# Altium PCB radxa_nx4_io_board_v1.11.PcbDoc (part 3 of 13)
Units mil, origin at the board's own origin, x right, y up, seen from the top; angles counter-clockwise.
Board outline 3937.01 x 3110.23 mil, 6 copper layers (TOP, GND02, ART03, ART04, GND05, BOTTOM), stack 47.2 mil thick; 639 components, 522 nets, 2442 pads, 1896 vias.
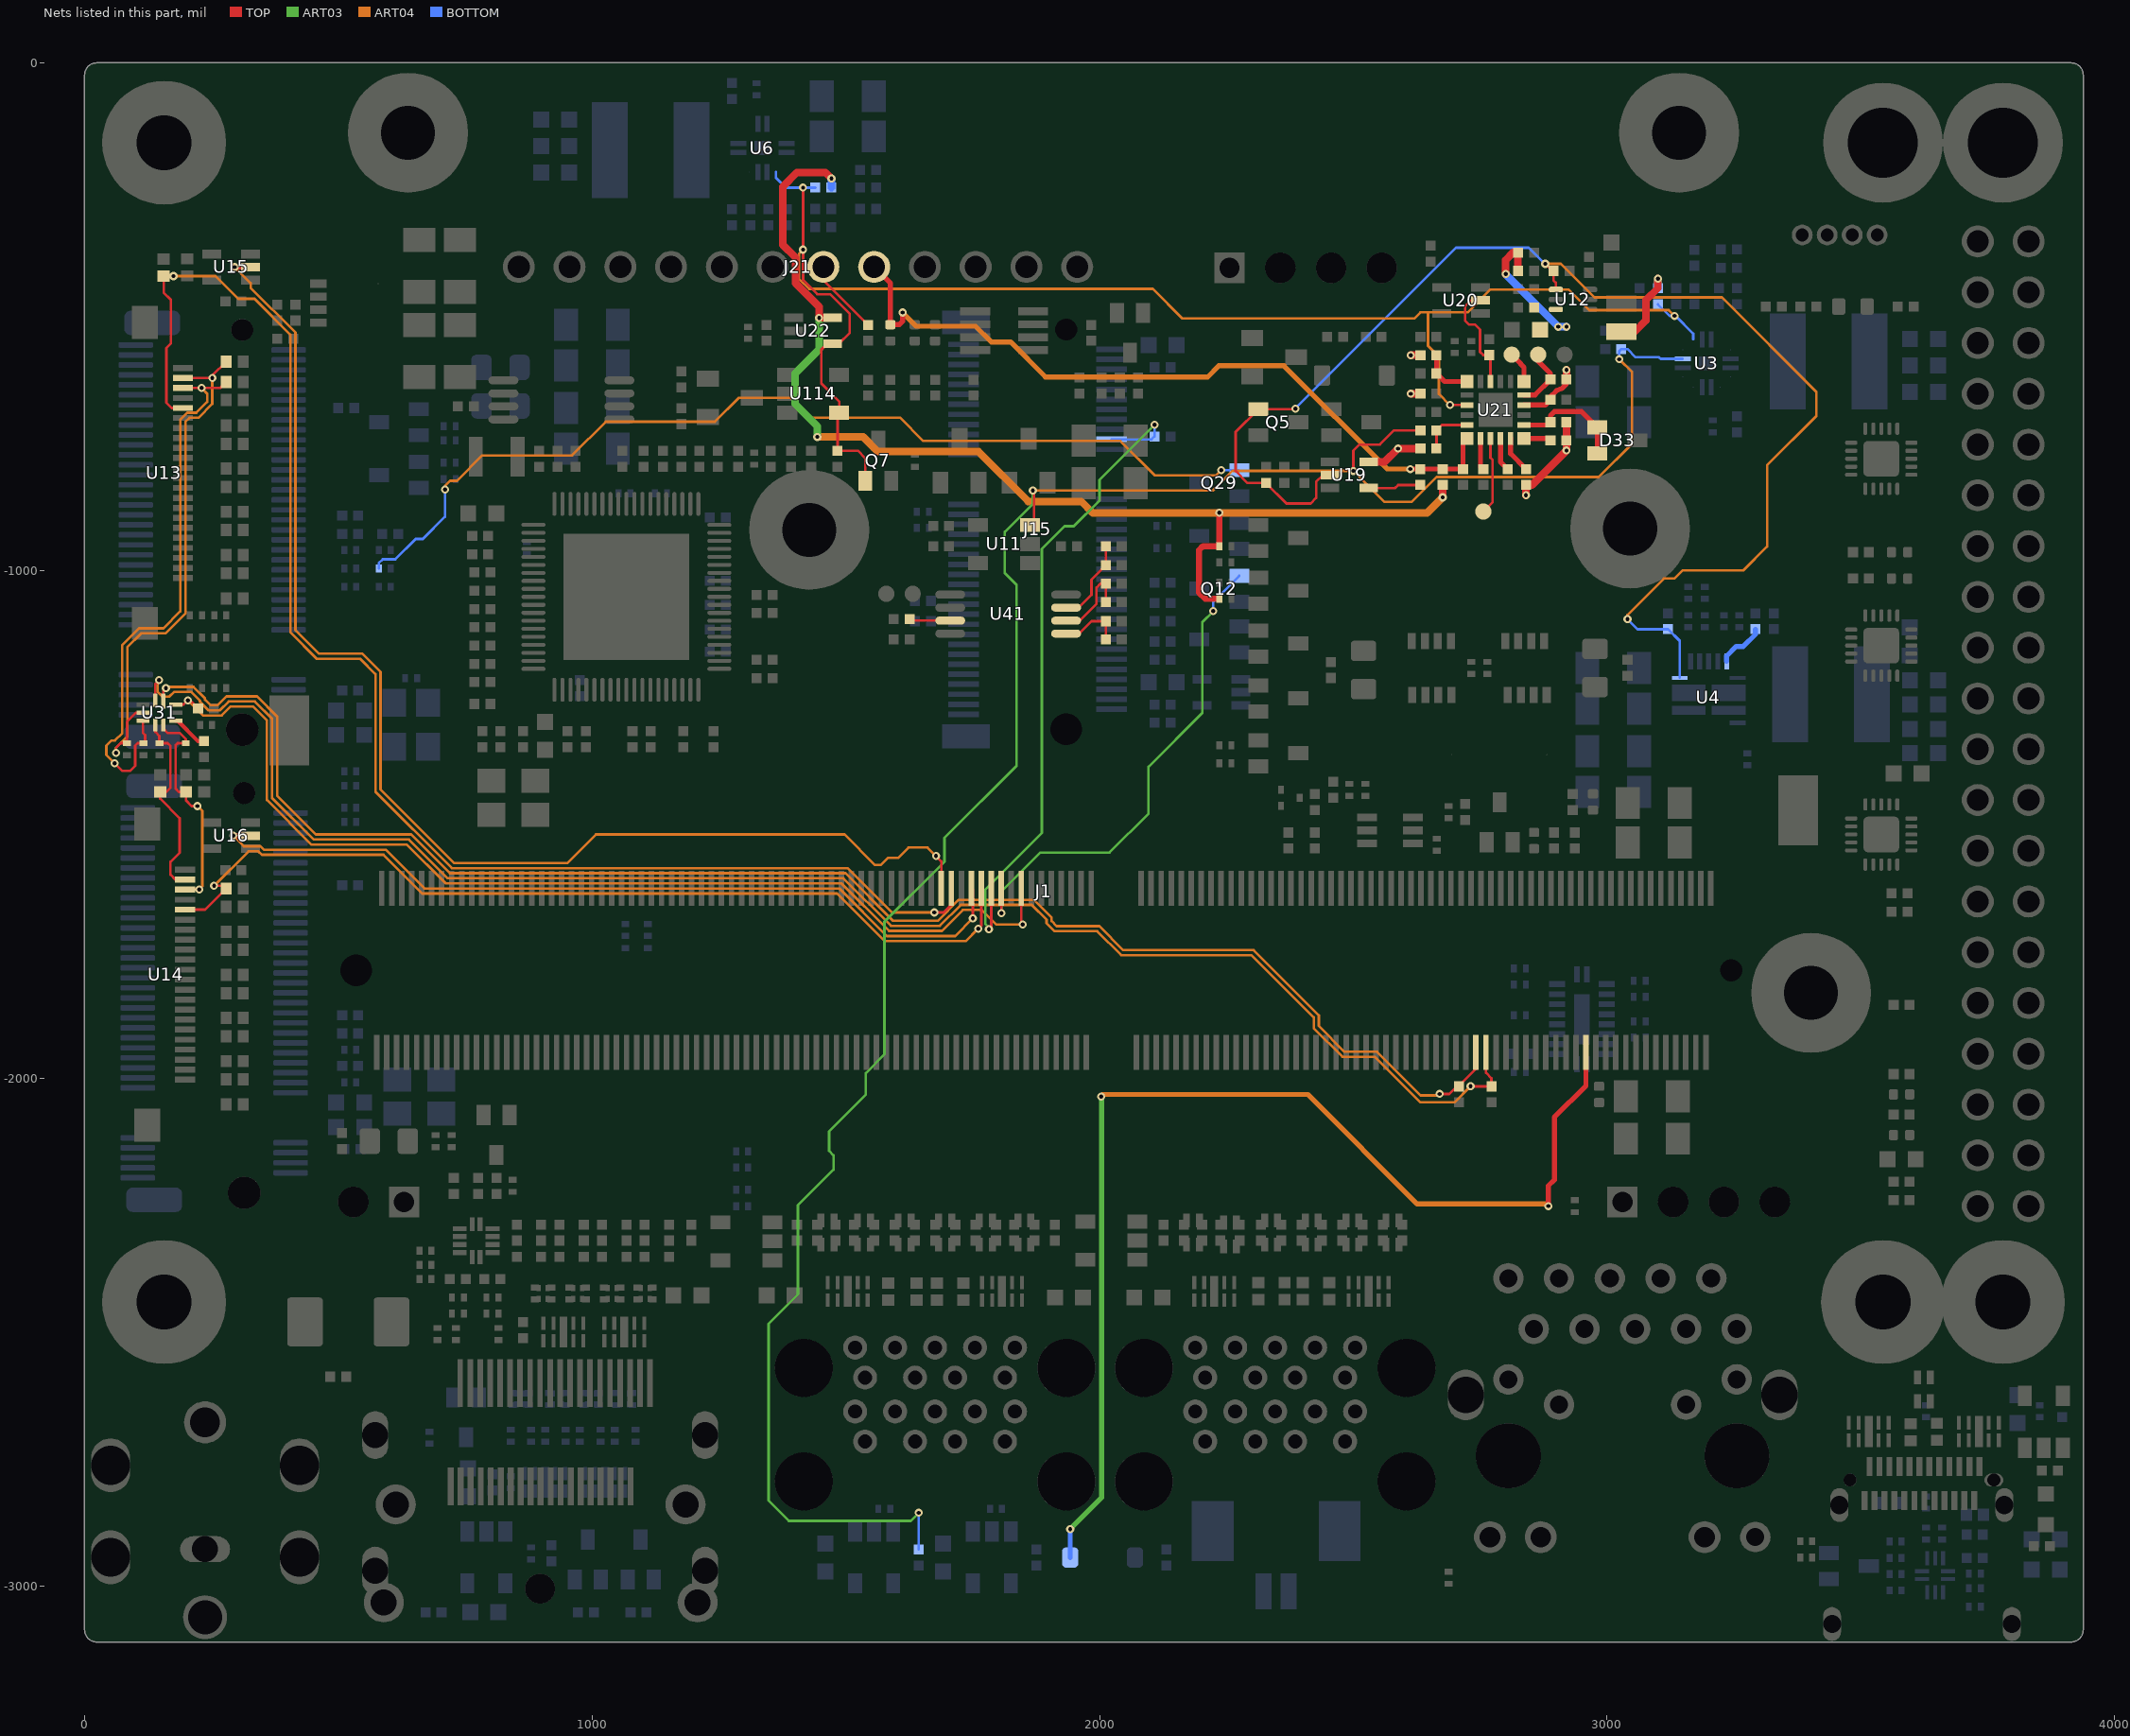
[diagram p7: the nets of this part, all layers, seen from the top]

## Footprints (in the part's own frame and the unit in brackets; to place one, negate y for a bottom-side part, rotate by r counter-clockwise, add the part's x,y. Pads: shape width x height; smd on the part's side, far side on the other; paste and mask are expansions set on the pad) (continued)
SODIMM_SM260_0D5_78D0X26D1 [mil] "SODIMM_SM260_0D5_78D0X26D1"
  rect 11.02x68.9 smd: 1(1313.83,660.92) 2(1303.98,338.09) 3(1294.14,660.92) 4(1284.3,338.09) 5(1274.46,660.92) 6(1264.61,338.09) 7(1254.77,660.92) 8(1244.93,338.09) 9(1235.09,660.92) 10(1225.24,338.09) 11(1215.4,660.92) 12(1205.56,338.09) 13(1195.72,660.92) 14(1185.87,338.09) 15(1176.03,660.92) 16(1166.19,338.09) 17(1156.35,660.92) 18(1146.5,338.09) 19(1136.66,660.92) 20(1126.82,338.09) 21(1116.98,660.92) 22(1107.13,338.09) 23(1097.29,660.92) 24(1087.45,338.09) 25(1077.61,660.92) 26(1067.76,338.09) 27(1057.92,660.92) 28(1048.08,338.09) 29(1038.24,660.92) 30(1028.39,338.09) 31(1018.55,660.92) 32(1008.71,338.09) 33(998.87,660.92) 34(989.02,338.09) 35(979.18,660.92) 36(969.34,338.09) 37(959.5,660.92) 38(949.65,338.09) 39(939.81,660.92) 40(929.97,338.09) 41(920.13,660.92) 42(910.28,338.09) 43(900.44,660.92) 44(890.6,338.09) 45(880.76,660.92) 46(870.91,338.09) 47(861.07,660.92) 48(851.23,338.09) 49(841.39,660.92) 50(831.54,338.09) 51(821.7,660.92) 52(811.86,338.09) 53(802.02,660.92) 54(792.17,338.09) 55(782.33,660.92) 56(772.49,338.09) 57(762.65,660.92) 58(752.8,338.09) 59(742.96,660.92) 60(733.12,338.09) 61(723.28,660.92) 62(713.43,338.09) 63(703.59,660.92) 64(693.75,338.09) 65(683.91,660.92) 66(674.06,338.09) 67(664.22,660.92) 68(654.38,338.09) 69(644.54,660.92) 70(634.69,338.09) 71(624.85,660.92) 72(615.01,338.09) 73(605.16,660.92) 74(595.32,338.09) 75(585.48,660.92) 76(575.64,338.09) 77(565.79,660.92) 78(555.95,338.09) 79(546.11,660.92) 80(536.27,338.09) 81(526.42,660.92) 82(516.58,338.09) 83(506.74,660.92) 84(496.9,338.09) 85(487.05,660.92) 86(477.21,338.09) 87(467.37,660.92) 88(457.53,338.09) 89(447.68,660.92) 90(437.84,338.09) 91(428,660.92) 92(418.16,338.09) 93(408.31,660.92) 94(398.47,338.09) 95(388.63,660.92) 96(378.79,338.09) 97(368.94,660.92) 98(359.1,338.09) 99(349.26,660.92) 100(339.42,338.09) 101(329.57,660.92) 102(319.73,338.09) 103(309.89,660.92) 104(300.05,338.09) 105(290.2,660.92) 106(280.36,338.09) 107(270.52,660.92) 108(260.68,338.09) 109(250.83,660.92) 110(240.99,338.09) 111(231.15,660.92) 112(221.31,338.09) 113(211.46,660.92) 114(201.62,338.09) 115(191.78,660.92) 116(181.94,338.09) 117(172.09,660.92) 118(162.25,338.09) 119(152.41,660.92) 120(142.57,338.09) 121(132.72,660.92) 122(122.88,338.09) 123(113.04,660.92) 124(103.2,338.09) 125(93.35,660.92) 126(83.51,338.09) 127(73.67,660.92) 128(63.83,338.09) 129(53.98,660.92) 130(44.14,338.09) 131(34.3,660.92) 132(24.46,338.09) 133(14.61,660.92) 134(4.77,338.09) 135(-5.07,660.92) 136(-14.91,338.09) 137(-24.76,660.92) 138(-34.6,338.09) 139(-44.44,660.92) 140(-54.28,338.09) 141(-64.13,660.92) 142(-73.97,338.09) 143(-83.81,660.92) 144(-93.65,338.09) 145(-182.24,660.92) 146(-192.08,338.09) 147(-201.92,660.92) 148(-211.76,338.09) 149(-221.61,660.92) 150(-231.45,338.09) 151(-241.29,660.92) 152(-251.13,338.09) 153(-260.98,660.92) 154(-270.82,338.09) 155(-280.66,660.92) 156(-290.5,338.09) 157(-300.35,660.92) 158(-310.19,338.09) 159(-320.03,660.92) 160(-329.87,338.09) 161(-339.72,660.92) 162(-349.56,338.09) 163(-359.4,660.92) 164(-369.24,338.09) 165(-379.09,660.92) 166(-388.93,338.09) 167(-398.77,660.92) 168(-408.61,338.09) 169(-418.46,660.92) 170(-428.3,338.09) 171(-438.14,660.92) 172(-447.98,338.09) 173(-457.83,660.92) 174(-467.67,338.09) 175(-477.51,660.92) 176(-487.35,338.09) 177(-497.2,660.92) 178(-507.04,338.09) 179(-516.88,660.92) 180(-526.72,338.09) 181(-536.57,660.92) 182(-546.41,338.09) 183(-556.25,660.92) 184(-566.09,338.09) 185(-575.94,660.92) 186(-585.78,338.09) 187(-595.62,660.92) 188(-605.46,338.09) 189(-615.31,660.92) 190(-625.15,338.09) 191(-634.99,660.92) 192(-644.84,338.09) 193(-654.68,660.92) 194(-664.52,338.09) 195(-674.36,660.92) 196(-684.21,338.09) 197(-694.05,660.92) 198(-703.89,338.09) 199(-713.73,660.92) 200(-723.58,338.09) 201(-733.42,660.92) 202(-743.26,338.09) 203(-753.1,660.92) 204(-762.95,338.09) 205(-772.79,660.92) 206(-782.63,338.09) 207(-792.47,660.92) 208(-802.32,338.09) 209(-812.16,660.92) 210(-822,338.09) 211(-831.84,660.92) 212(-841.69,338.09) 213(-851.53,660.92) 214(-861.37,338.09) 215(-871.21,660.92) 216(-881.06,338.09) 217(-890.9,660.92) 218(-900.74,338.09) 219(-910.58,660.92) 220(-920.43,338.09) 221(-930.27,660.92) 222(-940.11,338.09) 223(-949.95,660.92) 224(-959.8,338.09) 225(-969.64,660.92) 226(-979.48,338.09) 227(-989.32,660.92) 228(-999.17,338.09) 229(-1009.01,660.92) 230(-1018.85,338.09) 231(-1028.69,660.92) 232(-1038.54,338.09) 233(-1048.38,660.92) 234(-1058.22,338.09) 235(-1068.06,660.92) 236(-1077.91,338.09) 237(-1087.75,660.92) 238(-1097.59,338.09) 239(-1107.43,660.92) 240(-1117.28,338.09) 241(-1127.12,660.92) 242(-1136.96,338.09) 243(-1146.8,660.92) 244(-1156.65,338.09) 245(-1166.49,660.92) 246(-1176.33,338.09) 247(-1186.17,660.92) 248(-1196.02,338.09) 249(-1205.86,660.92) 250(-1215.7,338.09) 251(-1225.54,660.92) 252(-1235.39,338.09) 253(-1245.23,660.92) 254(-1255.07,338.09) 255(-1264.91,660.92) 256(-1274.76,338.09) 257(-1284.6,660.92) 258(-1294.44,338.09) 259(-1304.28,660.92) 260(-1314.13,338.09)
  rect 78.74x137.8 smd: 261(-1486.37,184.55) 262(1486.07,27.07)
  round 5.12 hole 43.31 unplated: ""(-1354.48,499.51)
  round 5.12 hole 62.99 unplated: ""(1354.18,499.51)
  TOP keep-out region: -1290.11,626.48 -1290.11,695.37 -1298.77,695.37 -1298.77,626.48
  TOP keep-out region: -1270.43,626.48 -1270.43,695.37 -1279.09,695.37 -1279.09,626.48
  TOP keep-out region: -1250.74,626.48 -1250.74,695.37 -1259.4,695.37 -1259.4,626.48
  TOP keep-out region: -1231.06,626.48 -1231.06,695.37 -1239.72,695.37 -1239.72,626.48
  TOP keep-out region: -1211.37,626.48 -1211.37,695.37 -1220.03,695.37 -1220.03,626.48
  TOP keep-out region: -1191.69,626.48 -1191.69,695.37 -1200.35,695.37 -1200.35,626.48
  TOP keep-out region: -1172,626.48 -1172,695.37 -1180.66,695.37 -1180.66,626.48
  TOP keep-out region: -1152.32,626.48 -1152.32,695.37 -1160.98,695.37 -1160.98,626.48
  TOP keep-out region: -1132.63,626.48 -1132.63,695.37 -1141.29,695.37 -1141.29,626.48
  TOP keep-out region: -1112.95,626.48 -1112.95,695.37 -1121.61,695.37 -1121.61,626.48
  TOP keep-out region: -1093.26,626.48 -1093.26,695.37 -1101.92,695.37 -1101.92,626.48
  TOP keep-out region: -1073.58,626.48 -1073.58,695.37 -1082.24,695.37 -1082.24,626.48
  TOP keep-out region: -1053.89,626.48 -1053.89,695.37 -1062.55,695.37 -1062.55,626.48
  TOP keep-out region: -1034.21,626.48 -1034.21,695.37 -1042.87,695.37 -1042.87,626.48
  TOP keep-out region: -1014.52,626.48 -1014.52,695.37 -1023.18,695.37 -1023.18,626.48
  TOP keep-out region: -994.84,626.48 -994.84,695.37 -1003.5,695.37 -1003.5,626.48
  TOP keep-out region: -975.15,626.48 -975.15,695.37 -983.81,695.37 -983.81,626.48
  TOP keep-out region: -955.46,626.48 -955.46,695.37 -964.13,695.37 -964.13,626.48
  TOP keep-out region: -935.78,626.48 -935.78,695.37 -944.44,695.37 -944.44,626.48
  TOP keep-out region: -916.09,626.48 -916.09,695.37 -924.76,695.37 -924.76,626.48
  TOP keep-out region: -896.41,626.48 -896.41,695.37 -905.07,695.37 -905.07,626.48
  TOP keep-out region: -876.72,626.48 -876.72,695.37 -885.39,695.37 -885.39,626.48
  TOP keep-out region: -857.04,626.48 -857.04,695.37 -865.7,695.37 -865.7,626.48
  TOP keep-out region: -837.35,626.48 -837.35,695.37 -846.02,695.37 -846.02,626.48
  TOP keep-out region: -817.67,626.48 -817.67,695.37 -826.33,695.37 -826.33,626.48
  TOP keep-out region: -797.98,626.48 -797.98,695.37 -806.65,695.37 -806.65,626.48
  TOP keep-out region: -778.3,626.48 -778.3,695.37 -786.96,695.37 -786.96,626.48
  TOP keep-out region: -758.61,626.48 -758.61,695.37 -767.28,695.37 -767.28,626.48
  TOP keep-out region: -738.93,626.48 -738.93,695.37 -747.59,695.37 -747.59,626.48
  TOP keep-out region: -719.24,626.48 -719.24,695.37 -727.91,695.37 -727.91,626.48
  TOP keep-out region: -699.56,626.48 -699.56,695.37 -708.22,695.37 -708.22,626.48
  TOP keep-out region: -679.87,626.48 -679.87,695.37 -688.54,695.37 -688.54,626.48
  TOP keep-out region: -660.19,626.48 -660.19,695.37 -668.85,695.37 -668.85,626.48
  TOP keep-out region: -640.5,626.48 -640.5,695.37 -649.17,695.37 -649.17,626.48
  TOP keep-out region: -620.82,626.48 -620.82,695.37 -629.48,695.37 -629.48,626.48
  TOP keep-out region: -601.13,626.48 -601.13,695.37 -609.8,695.37 -609.8,626.48
  TOP keep-out region: -581.45,626.48 -581.45,695.37 -590.11,695.37 -590.11,626.48
  TOP keep-out region: -561.76,626.48 -561.76,695.37 -570.43,695.37 -570.43,626.48
  TOP keep-out region: -542.08,626.48 -542.08,695.37 -550.74,695.37 -550.74,626.48
  TOP keep-out region: -522.39,626.48 -522.39,695.37 -531.06,695.37 -531.06,626.48
  TOP keep-out region: -502.71,626.48 -502.71,695.37 -511.37,695.37 -511.37,626.48
  TOP keep-out region: -483.02,626.48 -483.02,695.37 -491.69,695.37 -491.69,626.48
  TOP keep-out region: -463.34,626.48 -463.34,695.37 -472,695.37 -472,626.48
  TOP keep-out region: -443.65,626.48 -443.65,695.37 -452.32,695.37 -452.32,626.48
  TOP keep-out region: -423.97,626.48 -423.97,695.37 -432.63,695.37 -432.63,626.48
  TOP keep-out region: -404.28,626.48 -404.28,695.37 -412.95,695.37 -412.95,626.48
  TOP keep-out region: -384.6,626.48 -384.6,695.37 -393.26,695.37 -393.26,626.48
  TOP keep-out region: -364.91,626.48 -364.91,695.37 -373.58,695.37 -373.58,626.48
  TOP keep-out region: -345.23,626.48 -345.23,695.37 -353.89,695.37 -353.89,626.48
  TOP keep-out region: -325.54,626.48 -325.54,695.37 -334.21,695.37 -334.21,626.48
  TOP keep-out region: -305.86,626.48 -305.86,695.37 -314.52,695.37 -314.52,626.48
  TOP keep-out region: -286.17,626.48 -286.17,695.37 -294.84,695.37 -294.84,626.48
  TOP keep-out region: -266.49,626.48 -266.49,695.37 -275.15,695.37 -275.15,626.48
  TOP keep-out region: -246.8,626.48 -246.8,695.37 -255.46,695.37 -255.46,626.48
  TOP keep-out region: -227.12,626.48 -227.12,695.37 -235.78,695.37 -235.78,626.48
  TOP keep-out region: -207.43,626.48 -207.43,695.37 -216.09,695.37 -216.09,626.48
  TOP keep-out region: -187.75,626.48 -187.75,695.37 -196.41,695.37 -196.41,626.48
  TOP keep-out region: -1299.95,303.64 -1299.95,372.54 -1308.61,372.54 -1308.61,303.64
  TOP keep-out region: -1280.27,303.64 -1280.27,372.54 -1288.93,372.54 -1288.93,303.64
  TOP keep-out region: -1260.58,303.64 -1260.58,372.54 -1269.24,372.54 -1269.24,303.64
  TOP keep-out region: -1240.9,303.64 -1240.9,372.54 -1249.56,372.54 -1249.56,303.64
  TOP keep-out region: -1221.21,303.64 -1221.21,372.54 -1229.87,372.54 -1229.87,303.64
  TOP keep-out region: -1201.53,303.64 -1201.53,372.54 -1210.19,372.54 -1210.19,303.64
  TOP keep-out region: -1181.84,303.64 -1181.84,372.54 -1190.5,372.54 -1190.5,303.64
  TOP keep-out region: -1162.16,303.64 -1162.16,372.54 -1170.82,372.54 -1170.82,303.64
  TOP keep-out region: -1142.47,303.64 -1142.47,372.54 -1151.13,372.54 -1151.13,303.64
  TOP keep-out region: -1122.79,303.64 -1122.79,372.54 -1131.45,372.54 -1131.45,303.64
  TOP keep-out region: -1103.1,303.64 -1103.1,372.54 -1111.76,372.54 -1111.76,303.64
  TOP keep-out region: -1083.42,303.64 -1083.42,372.54 -1092.08,372.54 -1092.08,303.64
  TOP keep-out region: -1063.73,303.64 -1063.73,372.54 -1072.39,372.54 -1072.39,303.64
  TOP keep-out region: -1044.05,303.64 -1044.05,372.54 -1052.71,372.54 -1052.71,303.64
  TOP keep-out region: -1024.36,303.64 -1024.36,372.54 -1033.02,372.54 -1033.02,303.64
  TOP keep-out region: -1004.68,303.64 -1004.68,372.54 -1013.34,372.54 -1013.34,303.64
  TOP keep-out region: -984.99,303.64 -984.99,372.54 -993.65,372.54 -993.65,303.64
  TOP keep-out region: -965.31,303.64 -965.31,372.54 -973.97,372.54 -973.97,303.64
  TOP keep-out region: -945.62,303.64 -945.62,372.54 -954.28,372.54 -954.28,303.64
  TOP keep-out region: -925.94,303.64 -925.94,372.54 -934.6,372.54 -934.6,303.64
  TOP keep-out region: -906.25,303.64 -906.25,372.54 -914.91,372.54 -914.91,303.64
  TOP keep-out region: -886.57,303.64 -886.57,372.54 -895.23,372.54 -895.23,303.64
  TOP keep-out region: -866.88,303.64 -866.88,372.54 -875.54,372.54 -875.54,303.64
  TOP keep-out region: -847.2,303.64 -847.2,372.54 -855.86,372.54 -855.86,303.64
  TOP keep-out region: -827.51,303.64 -827.51,372.54 -836.17,372.54 -836.17,303.64
  TOP keep-out region: -807.83,303.64 -807.83,372.54 -816.49,372.54 -816.49,303.64
  TOP keep-out region: -788.14,303.64 -788.14,372.54 -796.8,372.54 -796.8,303.64
  TOP keep-out region: -768.46,303.64 -768.46,372.54 -777.12,372.54 -777.12,303.64
  TOP keep-out region: -748.77,303.64 -748.77,372.54 -757.43,372.54 -757.43,303.64
  TOP keep-out region: -729.09,303.64 -729.09,372.54 -737.75,372.54 -737.75,303.64
  TOP keep-out region: -709.4,303.64 -709.4,372.54 -718.06,372.54 -718.06,303.64
  TOP keep-out region: -689.72,303.64 -689.72,372.54 -698.38,372.54 -698.38,303.64
  TOP keep-out region: -670.03,303.64 -670.03,372.54 -678.69,372.54 -678.69,303.64
  TOP keep-out region: -650.35,303.64 -650.35,372.54 -659.01,372.54 -659.01,303.64
  TOP keep-out region: -630.66,303.64 -630.66,372.54 -639.32,372.54 -639.32,303.64
  TOP keep-out region: -610.98,303.64 -610.98,372.54 -619.64,372.54 -619.64,303.64
  TOP keep-out region: -591.29,303.64 -591.29,372.54 -599.95,372.54 -599.95,303.64
  TOP keep-out region: -571.61,303.64 -571.61,372.54 -580.27,372.54 -580.27,303.64
  TOP keep-out region: -551.92,303.64 -551.92,372.54 -560.58,372.54 -560.58,303.64
  TOP keep-out region: -532.24,303.64 -532.24,372.54 -540.9,372.54 -540.9,303.64
  TOP keep-out region: -512.55,303.64 -512.55,372.54 -521.21,372.54 -521.21,303.64
  TOP keep-out region: -492.87,303.64 -492.87,372.54 -501.53,372.54 -501.53,303.64
  TOP keep-out region: -473.18,303.64 -473.18,372.54 -481.84,372.54 -481.84,303.64
  TOP keep-out region: -453.5,303.64 -453.5,372.54 -462.16,372.54 -462.16,303.64
  TOP keep-out region: -433.81,303.64 -433.81,372.54 -442.47,372.54 -442.47,303.64
  TOP keep-out region: -414.13,303.64 -414.13,372.54 -422.79,372.54 -422.79,303.64
  TOP keep-out region: -394.44,303.64 -394.44,372.54 -403.1,372.54 -403.1,303.64
  TOP keep-out region: -374.76,303.64 -374.76,372.54 -383.42,372.54 -383.42,303.64
  TOP keep-out region: -355.07,303.64 -355.07,372.54 -363.73,372.54 -363.73,303.64
  TOP keep-out region: -335.39,303.64 -335.39,372.54 -344.05,372.54 -344.05,303.64
  TOP keep-out region: -315.7,303.64 -315.7,372.54 -324.36,372.54 -324.36,303.64
  TOP keep-out region: -296.02,303.64 -296.02,372.54 -304.68,372.54 -304.68,303.64
  TOP keep-out region: -276.33,303.64 -276.33,372.54 -284.99,372.54 -284.99,303.64
  TOP keep-out region: -256.65,303.64 -256.65,372.54 -265.31,372.54 -265.31,303.64
  TOP keep-out region: -236.96,303.64 -236.96,372.54 -245.62,372.54 -245.62,303.64
  TOP keep-out region: -217.28,303.64 -217.28,372.54 -225.94,372.54 -225.94,303.64
  TOP keep-out region: -197.59,303.64 -197.59,372.54 -206.25,372.54 -206.25,303.64
  TOP keep-out region: -69.64,695.37 -69.64,626.48 -78.3,626.48 -78.3,695.37
  TOP keep-out region: -49.95,695.37 -49.95,626.48 -58.61,626.48 -58.61,695.37
  TOP keep-out region: -30.27,695.37 -30.27,626.48 -38.93,626.48 -38.93,695.37
  TOP keep-out region: -10.58,695.37 -10.58,626.48 -19.24,626.48 -19.24,695.37
  TOP keep-out region: 9.1,695.37 9.1,626.48 0.44,626.48 0.44,695.37
  TOP keep-out region: 28.79,695.37 28.79,626.48 20.13,626.48 20.13,695.37
  TOP keep-out region: 48.47,695.37 48.47,626.48 39.81,626.48 39.81,695.37
  TOP keep-out region: 68.16,695.37 68.16,626.48 59.5,626.48 59.5,695.37
  TOP keep-out region: 87.84,695.37 87.84,626.48 79.18,626.48 79.18,695.37
  TOP keep-out region: 107.53,695.37 107.53,626.48 98.87,626.48 98.87,695.37
  TOP keep-out region: 127.21,695.37 127.21,626.48 118.55,626.48 118.55,695.37
  TOP keep-out region: 146.9,695.37 146.9,626.48 138.24,626.48 138.24,695.37
  TOP keep-out region: 166.58,695.37 166.58,626.48 157.92,626.48 157.92,695.37
  TOP keep-out region: 186.27,695.37 186.27,626.48 177.61,626.48 177.61,695.37
  TOP keep-out region: 205.95,695.37 205.95,626.48 197.29,626.48 197.29,695.37
  TOP keep-out region: 225.64,695.37 225.64,626.48 216.98,626.48 216.98,695.37
  TOP keep-out region: 245.32,695.37 245.32,626.48 236.66,626.48 236.66,695.37
  TOP keep-out region: 265.01,695.37 265.01,626.48 256.35,626.48 256.35,695.37
  TOP keep-out region: 284.69,695.37 284.69,626.48 276.03,626.48 276.03,695.37
  TOP keep-out region: 304.38,695.37 304.38,626.48 295.72,626.48 295.72,695.37
  TOP keep-out region: 324.06,695.37 324.06,626.48 315.4,626.48 315.4,695.37
  TOP keep-out region: 343.75,695.37 343.75,626.48 335.09,626.48 335.09,695.37
  TOP keep-out region: 363.43,695.37 363.43,626.48 354.77,626.48 354.77,695.37
  TOP keep-out region: 383.12,695.37 383.12,626.48 374.46,626.48 374.46,695.37
  TOP keep-out region: 402.8,695.37 402.8,626.48 394.14,626.48 394.14,695.37
  TOP keep-out region: 422.49,695.37 422.49,626.48 413.83,626.48 413.83,695.37
  TOP keep-out region: 442.17,695.37 442.17,626.48 433.51,626.48 433.51,695.37
  TOP keep-out region: 461.86,695.37 461.86,626.48 453.2,626.48 453.2,695.37
  TOP keep-out region: 481.54,695.37 481.54,626.48 472.88,626.48 472.88,695.37
  TOP keep-out region: 501.23,695.37 501.23,626.48 492.57,626.48 492.57,695.37
  TOP keep-out region: 520.91,695.37 520.91,626.48 512.25,626.48 512.25,695.37
  TOP keep-out region: 540.6,695.37 540.6,626.48 531.94,626.48 531.94,695.37
  TOP keep-out region: 560.28,695.37 560.28,626.48 551.62,626.48 551.62,695.37
  TOP keep-out region: 579.97,695.37 579.97,626.48 571.31,626.48 571.31,695.37
  TOP keep-out region: 599.65,695.37 599.65,626.48 590.99,626.48 590.99,695.37
  TOP keep-out region: 619.34,695.37 619.34,626.48 610.68,626.48 610.68,695.37
  TOP keep-out region: 639.02,695.37 639.02,626.48 630.36,626.48 630.36,695.37
  TOP keep-out region: 658.71,695.37 658.71,626.48 650.05,626.48 650.05,695.37
  TOP keep-out region: 678.39,695.37 678.39,626.48 669.73,626.48 669.73,695.37
  TOP keep-out region: 698.08,695.37 698.08,626.48 689.42,626.48 689.42,695.37
  TOP keep-out region: 717.76,695.37 717.76,626.48 709.1,626.48 709.1,695.37
  TOP keep-out region: 737.45,695.37 737.45,626.48 728.79,626.48 728.79,695.37
  TOP keep-out region: 757.13,695.37 757.13,626.48 748.47,626.48 748.47,695.37
  TOP keep-out region: 776.82,695.37 776.82,626.48 768.16,626.48 768.16,695.37
  TOP keep-out region: 796.5,695.37 796.5,626.48 787.84,626.48 787.84,695.37
  TOP keep-out region: 816.19,695.37 816.19,626.48 807.53,626.48 807.53,695.37
  TOP keep-out region: 835.87,695.37 835.87,626.48 827.21,626.48 827.21,695.37
  TOP keep-out region: 855.56,695.37 855.56,626.48 846.9,626.48 846.9,695.37
  TOP keep-out region: 875.24,695.37 875.24,626.48 866.58,626.48 866.58,695.37
  TOP keep-out region: 894.93,695.37 894.93,626.48 886.27,626.48 886.27,695.37
  TOP keep-out region: 914.61,695.37 914.61,626.48 905.95,626.48 905.95,695.37
  TOP keep-out region: 934.3,695.37 934.3,626.48 925.64,626.48 925.64,695.37
  TOP keep-out region: 953.98,695.37 953.98,626.48 945.32,626.48 945.32,695.37
  TOP keep-out region: 973.67,695.37 973.67,626.48 965.01,626.48 965.01,695.37
  TOP keep-out region: 993.35,695.37 993.35,626.48 984.69,626.48 984.69,695.37
  TOP keep-out region: 1013.04,695.37 1013.04,626.48 1004.38,626.48 1004.38,695.37
  TOP keep-out region: 1032.72,695.37 1032.72,626.48 1024.06,626.48 1024.06,695.37
  TOP keep-out region: 1052.41,695.37 1052.41,626.48 1043.75,626.48 1043.75,695.37
  TOP keep-out region: 1072.09,695.37 1072.09,626.48 1063.43,626.48 1063.43,695.37
  TOP keep-out region: 1091.78,695.37 1091.78,626.48 1083.12,626.48 1083.12,695.37